# Altium PCB Board.PcbDoc (part 1 of 2)
Units mm, origin at the board's own origin, x right, y up, seen from the top; angles counter-clockwise.
Board outline 100 x 100 mm, 2 copper layers (1-Top, 2-Bottom), stack 1.027 mm thick; 157 components, 128 nets, 685 pads, 673 vias.
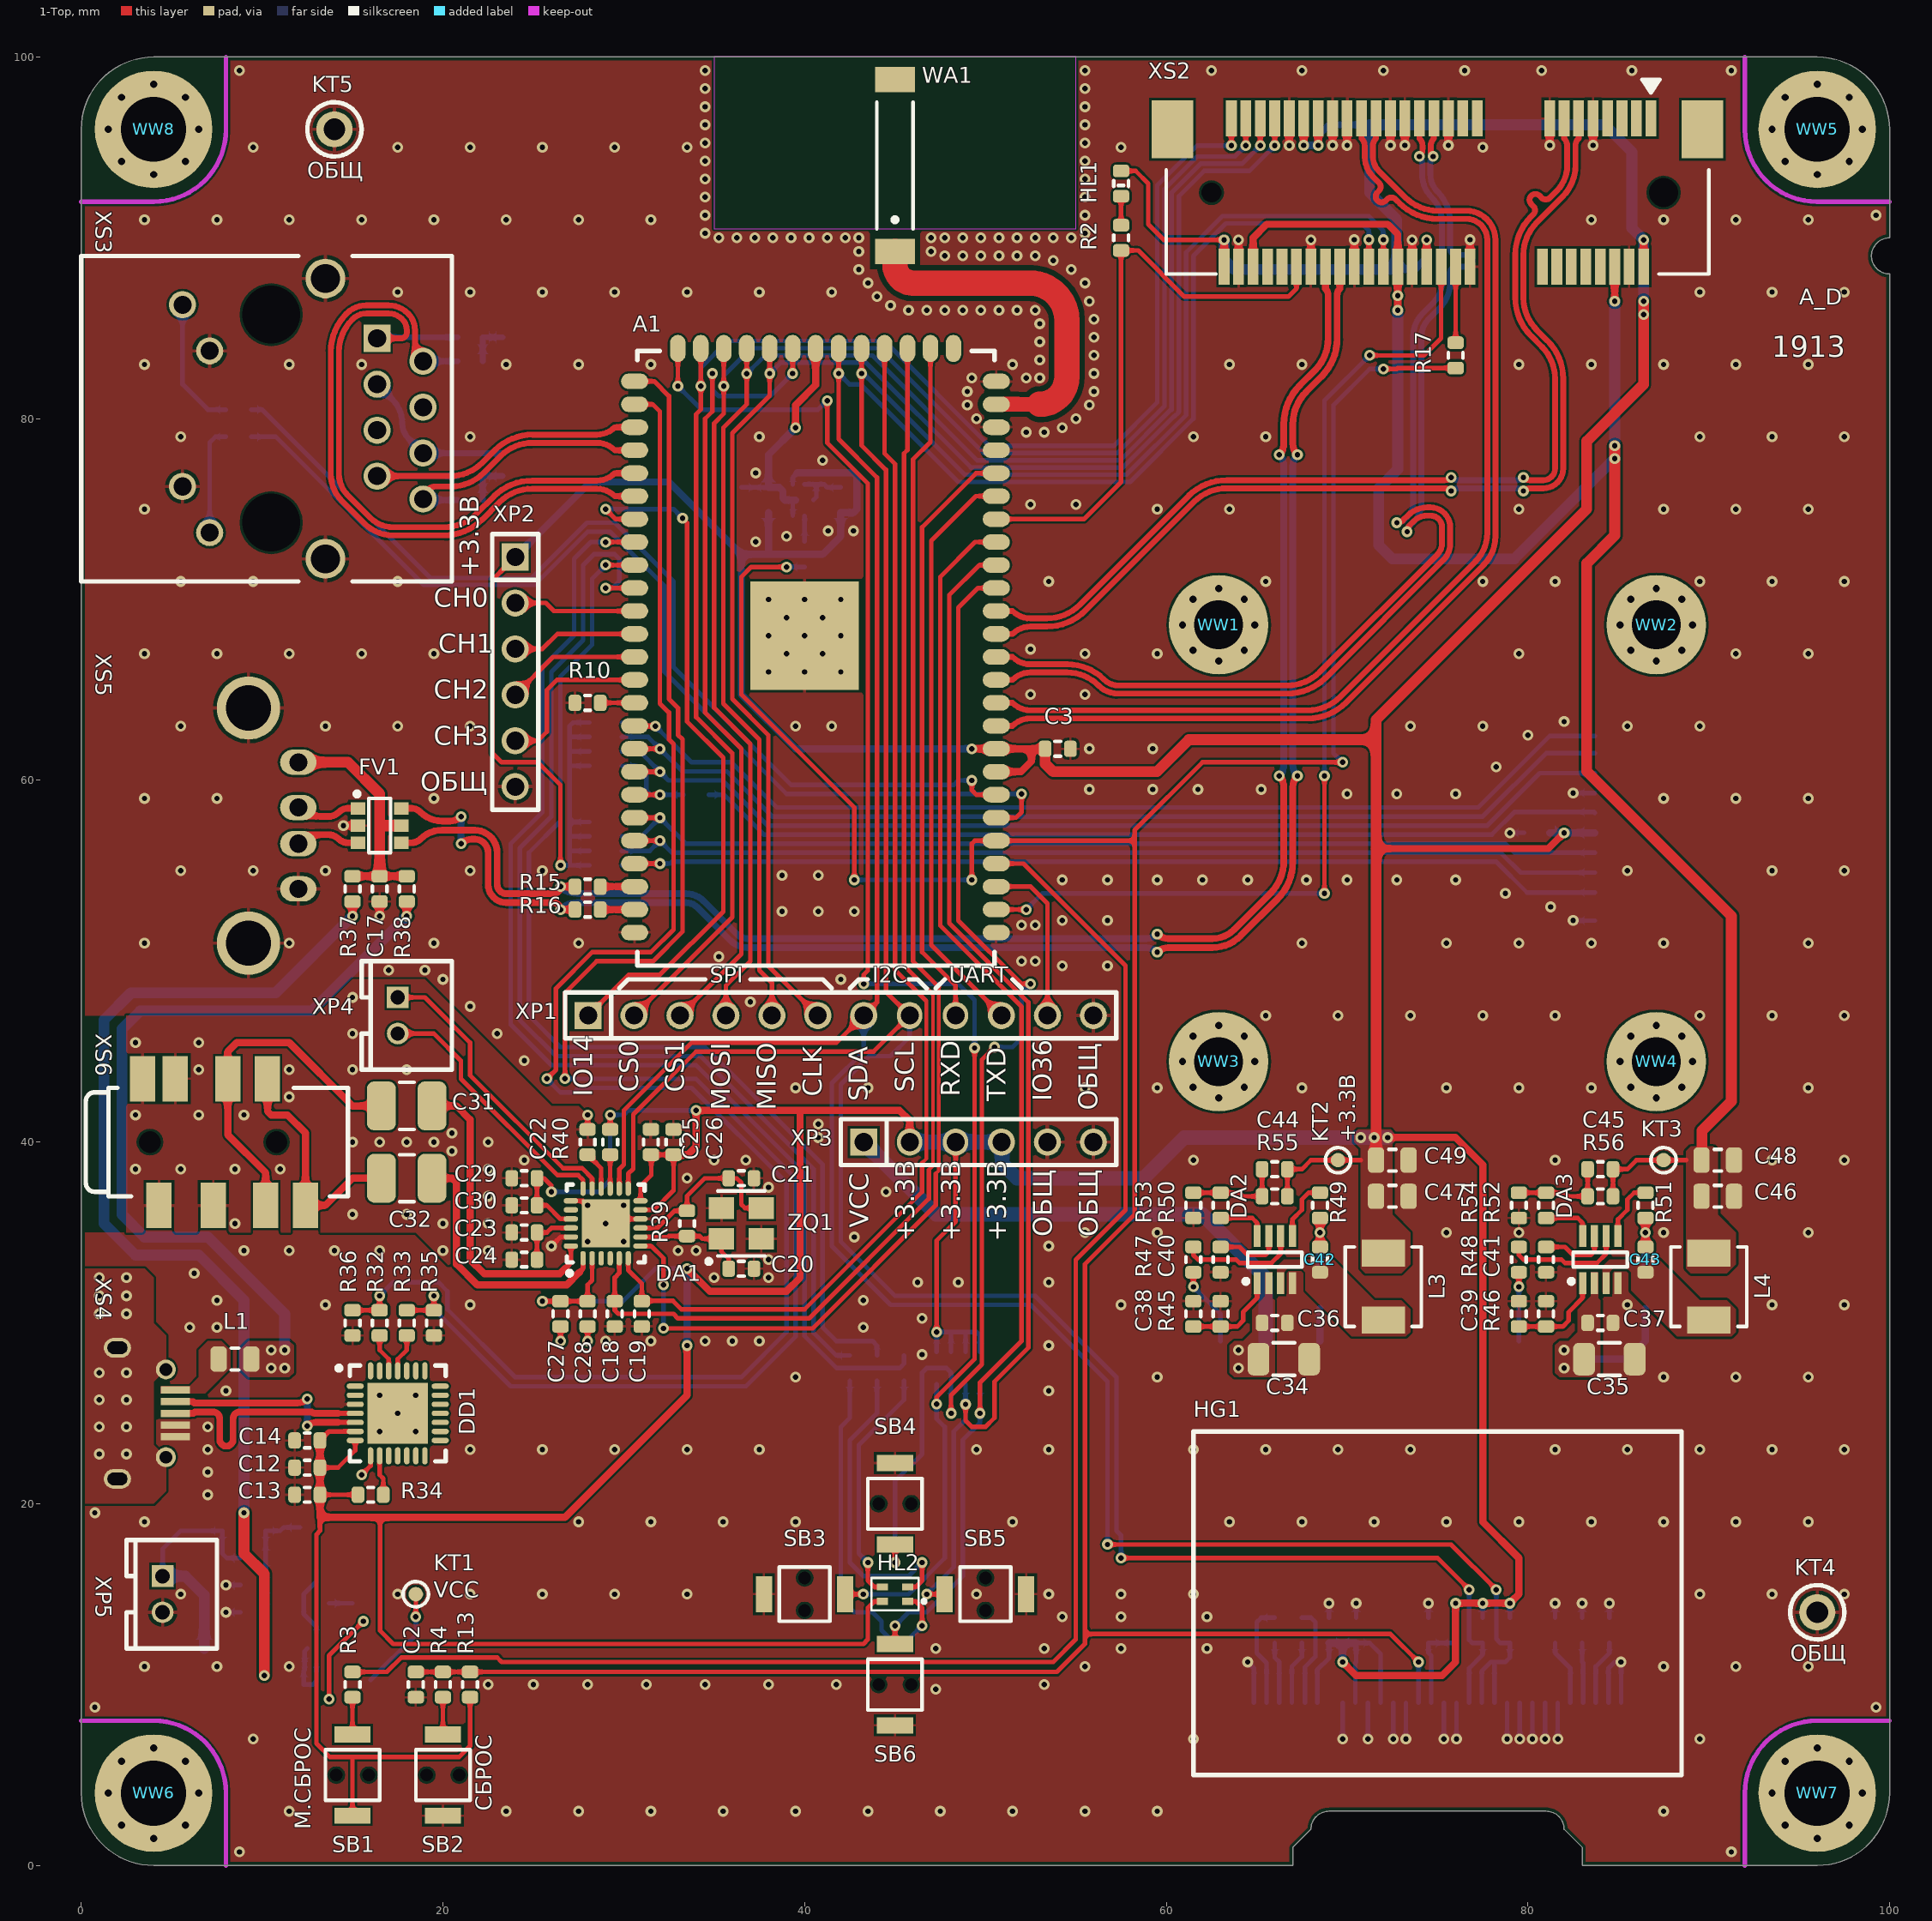
[diagram p0: 1-Top view]
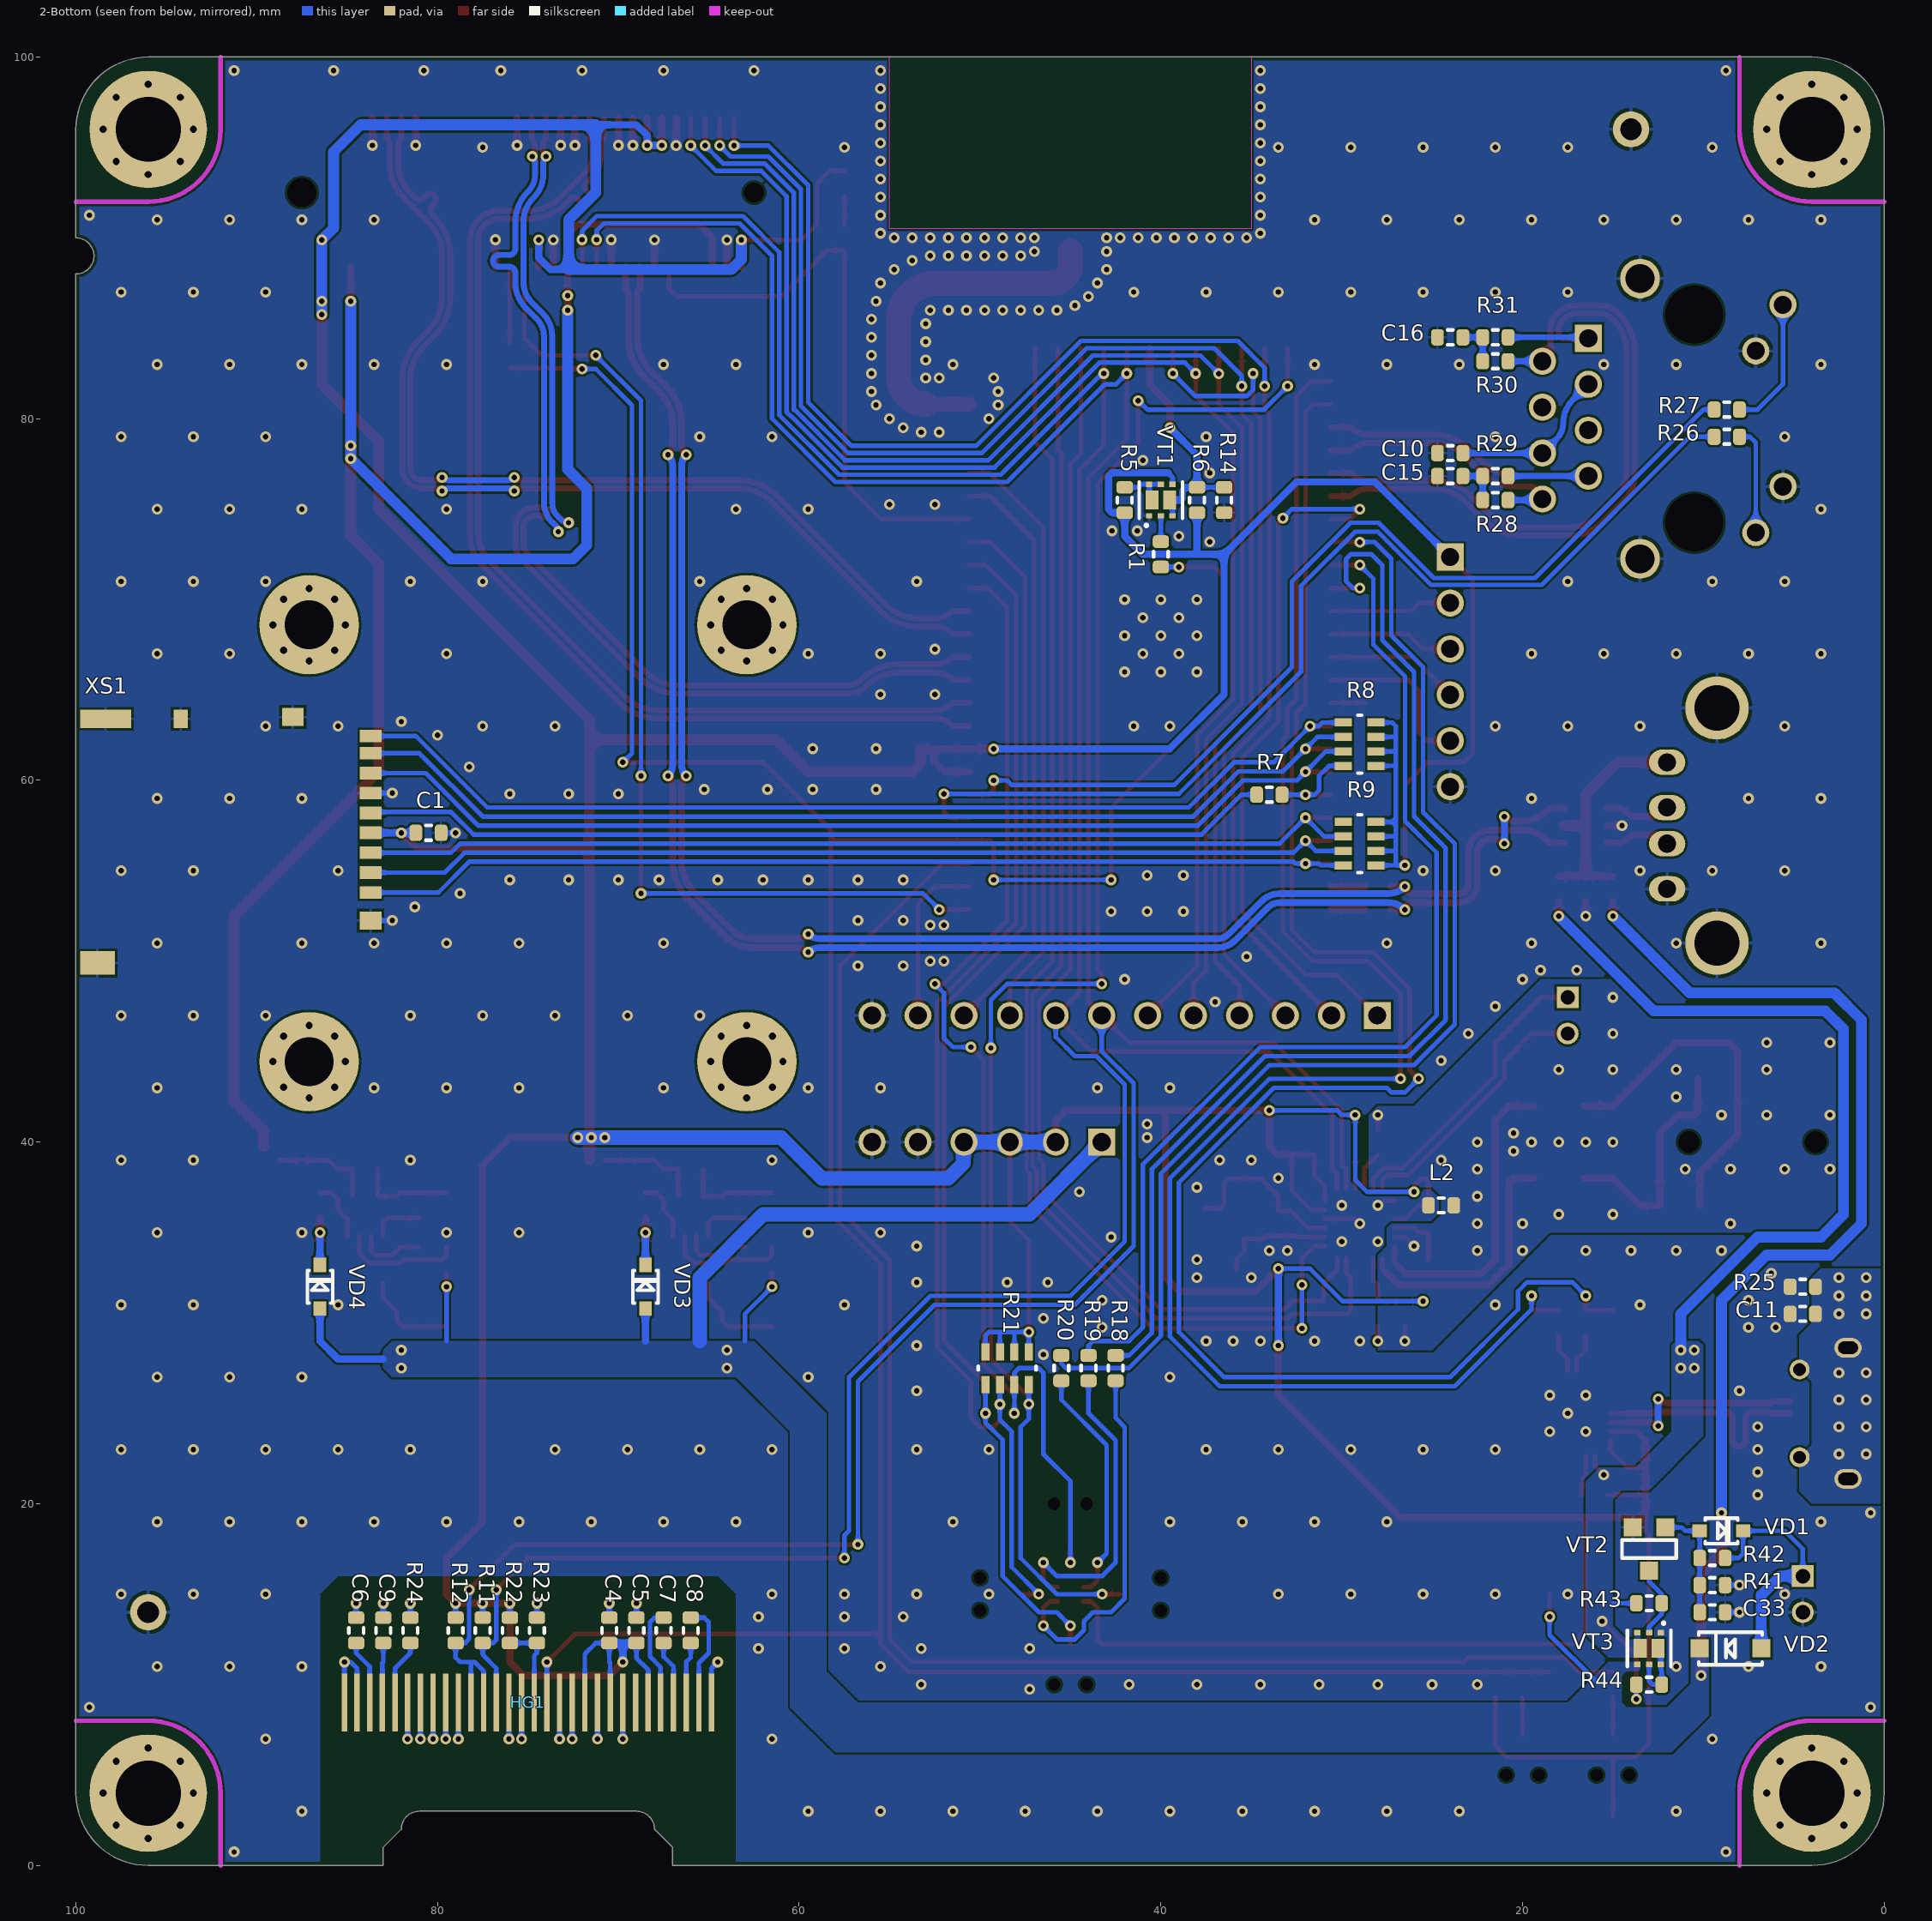
[diagram p1: 2-Bottom view, seen from below]

## Layer stack, top to bottom
Top Solder: solder mask 0.0102, Solder Resist, Dk 3.5
1-Top: signal copper 0.018
Dielectric1: core 0.9906, Core-042, Dk 4.58
2-Bottom: signal copper 0.018
Bottom Solder: solder mask 0.0102, Solder Resist, Dk 3.5

## Board outline
4,0 67,0 67,1 68,2 cw(c69,2) 69,3 81,3 cw(c81,2) 82,2 83,1 83,0 96,0 ccw(c96,4) 100,4 100,88 cw(c100,89) 100,90 100,96 ccw(c96,96) 96,100 4,100 ccw(c4,96) 0,96 0,4 ccw(c4,4)

## Design rules (kind name [scope] priority, off if disabled: settings)
BoardOutlineClearance [All] p1: gap=0.2 ignorepadtopadclearanceinfootprint=FALSE
Clearance "Schematic Clearance Constraint" [InNet('NetA1_24')] p1: gap=0.3 ignorepadtopadclearanceinfootprint=FALSE
Clearance Clearance_RF [InNet('No Net')] p2: gap=0.3 ignorepadtopadclearanceinfootprint=FALSE
Clearance [All] p3: gap=0.127 ignorepadtopadclearanceinfootprint=FALSE
ComponentClearance [All] p1: gap=0.1 collisioncheckmode=3 verticalgap=0.1 showdistances=FALSE
DiffPairsRouting DiffPairsRouting_ETH [InDifferentialPairClass('ETH_DiffPair')] p1: maxlimit=0.316 minlimit=0.1 mostfreqgap=0.127 toplayer_minwidth=0.2 toplayer_maxwidth=0.325 toplayer_prefwidth=0.25 bottomlayer_minwidth=0.2 bottomlayer_maxwidth=0.325 bottomlayer_prefwidth=0.25 impedanceprofiledriven=TRUE impedanceprofileid={BCEBBA04-846E-49CC-B843-06430ECAC246} impedanceprofilevalue=100.000000 maxuncoupledlength=12.7
DiffPairsRouting DiffPairsRouting_USB [InDifferentialPairClass('USB_DiffPair')] p2: maxlimit=0.127 minlimit=0.127 mostfreqgap=0.127 toplayer_minwidth=0.37 toplayer_maxwidth=0.37 toplayer_prefwidth=0.37 bottomlayer_minwidth=0.37 bottomlayer_maxwidth=0.37 bottomlayer_prefwidth=0.37 impedanceprofiledriven=TRUE impedanceprofileid={75977215-424A-493B-A8BB-A56CDCE91922} impedanceprofilevalue=90.000000 maxuncoupledlength=12.7
DiffPairsRouting DiffPairsRouting_PCIE [InDifferentialPairClass('PCIE_DiffPair')] p3: maxlimit=0.316 minlimit=0.1 mostfreqgap=0.127 toplayer_minwidth=0.2 toplayer_maxwidth=0.325 toplayer_prefwidth=0.25 bottomlayer_minwidth=0.2 bottomlayer_maxwidth=0.325 bottomlayer_prefwidth=0.25 impedanceprofiledriven=TRUE impedanceprofileid={BCEBBA04-846E-49CC-B843-06430ECAC246} impedanceprofilevalue=100.000000 maxuncoupledlength=12.7
DiffPairsRouting [All] p4: maxlimit=0.316 minlimit=0.1 mostfreqgap=0.127 toplayer_minwidth=0.2 toplayer_maxwidth=0.325 toplayer_prefwidth=0.25 bottomlayer_minwidth=0.2 bottomlayer_maxwidth=0.325 bottomlayer_prefwidth=0.25 impedanceprofiledriven=TRUE impedanceprofileid={BCEBBA04-846E-49CC-B843-06430ECAC246} impedanceprofilevalue=100.000000 maxuncoupledlength=12.7
HoleSize [All] p1: absolutevalues=TRUE maxlimit=4 minlimit=0.2 maxpercent=80.000 minpercent=20.000
HoleToHoleClearance [All] p1: gap=0.2 allowstackedmicrovias=TRUE
MatchedLengths "Schematic Matched Net Lengths_21" [InNet('ETH_RX_N')] p1: tolerance=1 checknetsindiffpair=TRUE checkdiffpairvsdiffpair=FALSE checkxsignals=FALSE checkothers=FALSE
MatchedLengths "Schematic Matched Net Lengths_20" [InNet('ETH_RX_P')] p2: tolerance=1 checknetsindiffpair=TRUE checkdiffpairvsdiffpair=FALSE checkxsignals=FALSE checkothers=FALSE
MatchedLengths "Schematic Matched Net Lengths_15" [InNet('ETH_TX_N')] p3: tolerance=1 checknetsindiffpair=TRUE checkdiffpairvsdiffpair=FALSE checkxsignals=FALSE checkothers=FALSE
MatchedLengths "Schematic Matched Net Lengths_14" [InNet('ETH_TX_P')] p4: tolerance=1 checknetsindiffpair=TRUE checkdiffpairvsdiffpair=FALSE checkxsignals=FALSE checkothers=FALSE
MatchedLengths "Schematic Matched Net Lengths_13" [InNet('USBHR_N')] p5: tolerance=1 checknetsindiffpair=TRUE checkdiffpairvsdiffpair=FALSE checkxsignals=FALSE checkothers=FALSE
MatchedLengths "Schematic Matched Net Lengths_12" [InNet('USBHR_P')] p6: tolerance=1 checknetsindiffpair=TRUE checkdiffpairvsdiffpair=FALSE checkxsignals=FALSE checkothers=FALSE
MatchedLengths "Schematic Matched Net Lengths_9" [InNet('PCIE_CLK_N')] p7: tolerance=1 checknetsindiffpair=TRUE checkdiffpairvsdiffpair=FALSE checkxsignals=FALSE checkothers=FALSE
MatchedLengths "Schematic Matched Net Lengths_8" [InNet('PCIE_CLK_P')] p8: tolerance=1 checknetsindiffpair=TRUE checkdiffpairvsdiffpair=FALSE checkxsignals=FALSE checkothers=FALSE
MatchedLengths "Schematic Matched Net Lengths_7" [InNet('PCIE_RX0_N')] p9: tolerance=1 checknetsindiffpair=TRUE checkdiffpairvsdiffpair=FALSE checkxsignals=FALSE checkothers=FALSE
MatchedLengths "Schematic Matched Net Lengths_6" [InNet('PCIE_RX0_P')] p10: tolerance=1 checknetsindiffpair=TRUE checkdiffpairvsdiffpair=FALSE checkxsignals=FALSE checkothers=FALSE
MatchedLengths "Schematic Matched Net Lengths_5" [InNet('PCIE_TX0_N')] p11: tolerance=1 checknetsindiffpair=TRUE checkdiffpairvsdiffpair=FALSE checkxsignals=FALSE checkothers=FALSE
MatchedLengths "Schematic Matched Net Lengths_4" [InNet('PCIE_TX0_P')] p12: tolerance=1 checknetsindiffpair=TRUE checkdiffpairvsdiffpair=FALSE checkxsignals=FALSE checkothers=FALSE
MatchedLengths "Schematic Matched Net Lengths_3" [InNet('USBH_N')] p13: tolerance=1 checknetsindiffpair=TRUE checkdiffpairvsdiffpair=FALSE checkxsignals=FALSE checkothers=FALSE
MatchedLengths "Schematic Matched Net Lengths_2" [InNet('USBH_P')] p14: tolerance=1 checknetsindiffpair=TRUE checkdiffpairvsdiffpair=FALSE checkxsignals=FALSE checkothers=FALSE
MatchedLengths "Schematic Matched Net Lengths_1" [InNet('USBD_N')] p15: tolerance=1 checknetsindiffpair=TRUE checkdiffpairvsdiffpair=FALSE checkxsignals=FALSE checkothers=FALSE
MatchedLengths "Schematic Matched Net Lengths" [InNet('USBD_P')] p16: tolerance=1 checknetsindiffpair=TRUE checkdiffpairvsdiffpair=FALSE checkxsignals=FALSE checkothers=FALSE
MinimumSolderMaskSliver [All] p1: minsoldermaskwidth=0.05
PlaneClearance [All] p1: clearance=0.2
PlaneConnect PlaneConnect_Via [IsVia] p1: planeconnectstyle=Direct reliefexpansion=0.508 reliefentries=4 reliefconductorwidth=0.254 reliefairgap=0.254
PlaneConnect [All] p2: planeconnectstyle=Relief reliefexpansion=0.4 reliefentries=4 reliefconductorwidth=0.25 reliefairgap=0.25
PolygonConnect PolygonConnect_DirectConnectClass [InComponentClass('DirectConnect')] p1: connectstyle=Direct reliefconductorwidth=0.254 reliefentries=4 polygonreliefangle="90 Angle" airgapwidth=0.254
PolygonConnect [All] p2: thpad.connectstyle=Relief thpad.reliefconductorwidth=0.2 thpad.reliefentries=4 thpad.polygonreliefangle="90 Angle" thpad.airgapwidth=0.2 smdpad.connectstyle=Relief smdpad.reliefconductorwidth=0.15 smdpad.reliefentries=4 smdpad.polygonreliefangle="90 Angle" smdpad.airgapwidth=0.15 via.connectstyle=Direct via.reliefconductorwidth=0.2 via.reliefentries=4 via.polygonreliefangle="90 Angle" via.airgapwidth=0.2
RoutingVias [All] p1: holewidth=0.3 width=0.6 viastyle="Through Hole" minholewidth=0.3 minwidth=0.6 maxholewidth=0.6 maxwidth=0.9
SilkToSilkClearance [All] p1 off: silktosilkclearance=0.254
SilkToSolderMaskClearance [IsPad] p1 off: minsilkscreentomaskgap=0.254 clearancetoexposedcopper=TRUE
SolderMaskExpansion [All] p1: expansion=0.025
Width Width_RF [InNetClass('RF')] p1: maxlimit=1.791 minlimit=1.4 preferedwidth=1.4 impedanceprofiledriven=TRUE impedanceprofileid={83E756E0-A377-44A2-ACAC-0544177AB045} impedanceprofilevalue=50.000000 minimp=50.000000 maximp=50.000000 favimp=50.000000
Width [All] p2: maxlimit=1 minlimit=0.127 preferedwidth=0.15
21 further rules are at their usual default settings.

## Classes and differential pairs
differential pair class ETH_DiffPair: ETH_RX ETH_TX
differential pair class USB_DiffPair: USBD USBH USBHR
differential pair class PCIE_DiffPair: PCIE_CLK PCIE_RX0 PCIE_TX0
component class DirectConnect: C11 C34 C35 C36 C37 C42 C43 C46 C47 C48 C49 DA2 DA3 L1 L2 L3 L4 R25 VD2 VT3 XS4
net class RF: NetA1_24
differential pair USBHR: +USBHR_P -USBHR_N
differential pair ETH_TX: +ETH_TX_P -ETH_TX_N
differential pair ETH_RX: +ETH_RX_P -ETH_RX_N
differential pair USBH: +USBH_P -USBH_N
differential pair USBD: +USBD_P -USBD_N
differential pair PCIE_TX0: +PCIE_TX0_P -PCIE_TX0_N
differential pair PCIE_RX0: +PCIE_RX0_P -PCIE_RX0_N
differential pair PCIE_CLK: +PCIE_CLK_P -PCIE_CLK_N

## Components (designator, comment, footprint, x,y, rotation, side; value= is the part's Value field where it differs from the comment)
A1 "OM-O2Sx" OM-O2Sx 40,68 r180 top locked value=OM-O2SP
C1 "Capacitor" C0603_L 80.5,57.1 r180 bottom value=10uF
C2 "Capacitor" C0603_L 18.5,10 r90 top value=0.1uF
C3 "Capacitor" C0603_L 54,61.746 r0 top value=10uF
C4 "Capacitor" C0603_L 70.5,13 r270 bottom value=1uF
C5 "Capacitor" C0603_L 69,13 r270 bottom value=1uF
C6 "Capacitor" C0603_L 84.5,13 r270 bottom value=2.2uF
C7 "Capacitor" C0603_L 67.5,13 r270 bottom value=1uF
C8 "Capacitor" C0603_L 66,13 r90 bottom value=1uF
C9 "Capacitor" C0603_L 83,13 r270 bottom value=4.7uF
C10 "Capacitor" C0603_L 24,78.095 r180 bottom value=0.1uF
C11 "Capacitor" C0603_L 4.5,30.5 r180 bottom value=0.1uF
C12 "Capacitor" C0603_L 12.5,22 r0 top value=1uF
C13 "Capacitor" C0603_L 12.5,20.5 r0 top value=0.1uF
C14 "Capacitor" C0603_L 12.5,23.5 r0 top value=0.1uF
C15 "Capacitor" C0603_L 24,76.825 r180 bottom value=0.1uF
C16 "Capacitor" C0603_L 24,84.5 r180 bottom value=0.1uF
C17 "Capacitor" C0603_L 16.5,54 r270 top value=10uF
C18 "Capacitor" C0603_L 29.5,30.5 r90 top value=22pF
C19 "Capacitor" C0603_L 31,30.5 r90 top value=22pF
C20 "Capacitor" C0603_L 36.5,33 r180 top value=12pF
C21 "Capacitor" C0603_L 36.5,38 r180 top value=12pF
C22 "Capacitor" C0603_L 28,40 r270 top value=1uF
C23 "Capacitor" C0603_L 24.5,35 r0 top value=0.1uF
C24 "Capacitor" C0603_L 24.5,33.5 r0 top value=4.7uF
C25 "Capacitor" C0603_L 31.5,40 r90 top value=1uF
C26 "Capacitor" C0603_L 32.75,40 r90 top value=1000pF
C27 "Capacitor" C0603_L 26.5,30.5 r270 top value=1uF
C28 "Capacitor" C0603_L 28,30.5 r270 top value=1000pF
C29 "Capacitor" C0603_L 24.5,38 r180 top value=10uF
C30 "Capacitor" C0603_L 24.5,36.5 r180 top value=1000pF
C31 "Capacitor" C1210_L 18,42 r180 top value=100uF
C32 "Capacitor" C1210_L 18,38 r180 top value=100uF
C33 "Capacitor" C0603_L 9.5,14 r0 bottom value=0.1uF
C34 "Capacitor" C1206_L 66.5,28 r180 top value=22uF
C35 "Capacitor" C1206_L 84.5,28 r180 top value=22uF
C36 "Capacitor" C0603_L 66,30 r180 top value=0.1uF
C37 "Capacitor" C0603_L 84,30 r180 top value=0.1uF
C38 "Capacitor" C0603_L 61.5,30.5 r270 top value=1000pF
C39 "Capacitor" C0603_L 79.5,30.5 r270 top value=1000pF
C40 "Capacitor" C0603_L 63,33.5 r90 top value=0.1uF
C41 "Capacitor" C0603_L 81,33.5 r90 top value=0.1uF
C42 "Capacitor" C0603_L 68.5,33.5 r270 top value=0.1uF
C43 "Capacitor" C0603_L 86.5,33.5 r270 top value=0.1uF
C44 "Capacitor" C0603_L 66,38.5 r0 top value=33pF
C45 "Capacitor" C0603_L 84,38.5 r0 top value=33pF
C46 "Capacitor" C0805_L 90.5,37 r180 top value=22uF
C47 "Capacitor" C0805_L 72.5,37 r180 top value=22uF
C48 "Capacitor" C0805_L 90.5,39 r180 top value=22uF
C49 "Capacitor" C0805_L 72.5,39 r180 top value=22uF
DA1 "ALC5628" QFN-24_050P400X400X090_N 29,35.5 r90 top locked value=ALC5628-GR
DA2 "MP2315GJ" TSOT-23-8_065P290X160X100_N 66,33.5 r0 top value=MP2315GJ-Z
DA3 "MP2315GJ" TSOT-23-8_065P290X160X100_N 84,33.5 r0 top value=MP2315GJ-Z
DD1 "CP2102_9" QFN-28_050P500X500X100_N 17.5,25 r0 top value=CP2102-GM
FV1 "USBLC6-2SC6" SOT-23-6_095P290X160X145_N 16.5,57.5 r270 top
HG1 "UG-2864HSWEG01" UG-2864HSWEG01 75,14.5 r0 top
HL1 "WLED" LD0603_L 57.5,93 r270 top value=BL-LS0603DNB
HL2 "USER LED" FM-B1515RGBA-HG 45,15 r90 top value=FM-B1515RGBA-HG
KT1 "VCC" TP-SMT-C-0.8mm 18.5,15 r180 top value=TestPoint-SMT
KT2 "+3.3В" TP-SMT-C-0.8mm 69.5,39 r270 top value=TestPoint-SMT
KT3 "+1.5V" TP-SMT-C-0.8mm 87.5,39 r270 top value=TestPoint-SMT
KT4 "ОБЩ" 5001 96,14 r180 top value=5001
KT5 "ОБЩ" 5001 14,96 r180 top value=5001
L1 "FerriteBead" L0805_L 8.5,28 r0 top value=BLM21PG331SN1
L2 "FerriteBead" L0603_L 24.5,36.5 r180 bottom value=BLM18PG121SN1
L3 "Coil" SRP4020TA-Series 72,32 r90 top value=SRP4020TA-4R7M
L4 "Coil" SRP4020TA-Series 90,32 r90 top value=SRP4020TA-4R7M
R1 "Resistor" R0603_L 40,72.5 r90 bottom value=22k
R2 "Resistor" R0603_L 57.5,90 r270 top value=1k
R3 "Resistor" R0603_L 15,10 r90 top value=3k
R4 "Resistor" R0603_L 20,10 r90 top value=100
R5 "Resistor" R0603_L 42,75.5 r270 bottom value=10k
R6 "Resistor" R0603_L 38,75.5 r270 bottom value=0
R7 "Resistor" R0603_L 34,59.206 r180 bottom value=30
R8 "Resistor-4" CAT16-x4 29,62 r90 bottom value=10k
R9 "Resistor-4" CAT16-x4 29,56.5 r90 bottom value=10k
R10 "Resistor" R0603_L 28,64.286 r0 top value=4.7k
R11 "Resistor" R0603_L 77.5,13 r270 bottom value=4.7k
R12 "Resistor" R0603_L 79,13 r270 bottom value=4.7k
R13 "Resistor" R0603_L 21.5,10 r270 top value=4.7k
R14 "Resistor" R0603_L 36.5,75.5 r90 bottom value=3k
R15 "Resistor" R0603_L 28,54.126 r0 top value=22
R16 "Resistor" R0603_L 28,52.856 r0 top value=22
R17 "Resistor" R0603_L 76,83.5 r270 top value=0
R18 "Resistor" R0603_L 42.5,27.5 r270 bottom value=100
R19 "Resistor" R0603_L 44,27.5 r270 bottom value=100
R20 "Resistor" R0603_L 45.5,27.5 r270 bottom value=100
R21 "Resistor-4" CAT16-x4 48.5,27.5 r180 bottom value=10k
R22 "Resistor" R0603_L 76,13 r90 bottom value=0
R23 "Resistor" R0603_L 74.5,13 r270 bottom value=0
R24 "Resistor" R0603_L 81.5,13 r270 bottom value=910k
R25 "Resistor" R0603_L 4.5,32 r0 bottom value=100k
R26 "Resistor" R0603_L 8.7,79 r180 bottom value=330
R27 "Resistor" R0603_L 8.7,80.5 r180 bottom value=330
R28 "Resistor" R0603_L 21.5,75.5 r180 bottom value=49.9
R29 "Resistor" R0603_L 21.5,76.825 r180 bottom value=49.9
R30 "Resistor" R0603_L 21.5,83.175 r180 bottom value=49.9
R31 "Resistor" R0603_L 21.5,84.5 r180 bottom value=49.9
R32 "Resistor" R0603_L 16.5,30 r90 top value=1k
R33 "Resistor" R0603_L 18,30 r90 top value=1k
R34 "Resistor" R0603_L 16,20.5 r0 top value=4.7k
R35 "Resistor" R0603_L 19.5,30 r90 top value=3k
R36 "Resistor" R0603_L 15,30 r90 top value=3k
R37 "Resistor" R0603_L 15,54 r270 top value=0
R38 "Resistor" R0603_L 18,54 r270 top value=0
R39 "Resistor" R0603_L 33.5,35.5 r90 top value=1meg
R40 "Resistor" R0603_L 29.25,40 r270 top value=0
R41 "Resistor" R0603_L 9.5,15.5 r180 bottom value=10k
R42 "Resistor" R0603_L 9.5,17 r180 bottom value=10k
R43 "Resistor" R0603_L 13,14.5 r0 bottom value=10k
R44 "Resistor" R0603_L 13,10 r0 bottom value=10k
R45 "Resistor" R0603_L 63,30.5 r270 top value=62k
R46 "Resistor" R0603_L 81,30.5 r270 top value=62k
R47 "Resistor" R0603_L 61.5,33.5 r90 top value=100k
R48 "Resistor" R0603_L 79.5,33.5 r90 top value=100k
R49 "Resistor" R0603_L 68.5,36.5 r270 top value=22